# Altium PCB WirelessBoard_LCD20x4v2.PcbDoc (continued)
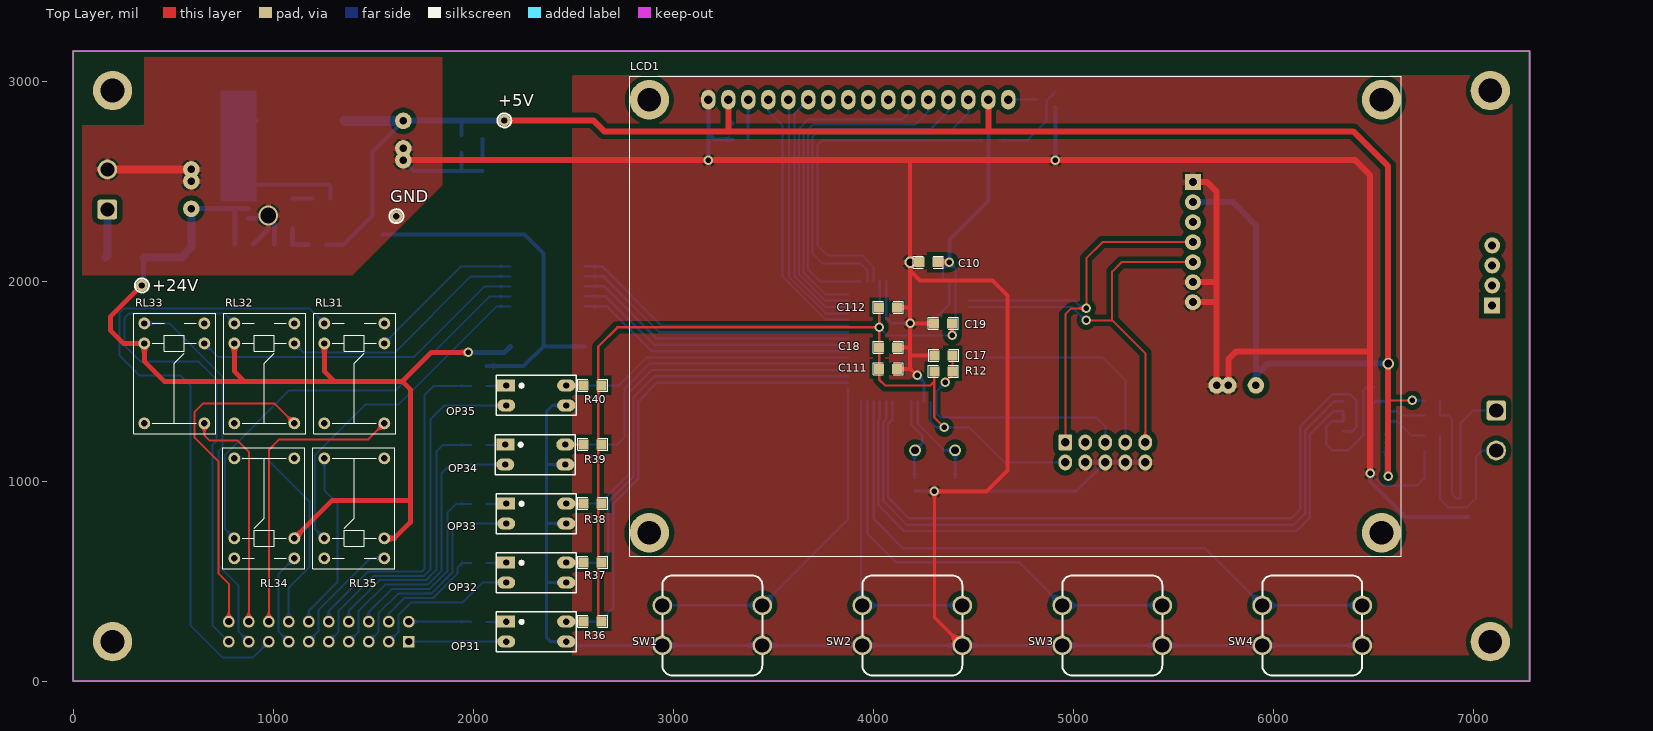
[diagram p0: Top Layer view]
## Part data
1 VIN: library part 2P_ScrewTerm_90S_3.81MM, "Terminal Block Screw Type THT 2-Position 3.81mm pitch", Color=Black, Manufacturer 1="Tyco Electronics", Manufacturer Part Number 1=1776113-2, Package / Case="Side Entry; 3.81mm pitch", Supplier Part Number 1=A97976-ND, Category="Connectors Interconnects", Pitch="0.150\" (3.81mm)", Positions Per Level=2, Supplier 1=Digi-Key, vl="Gi?c xanh 5.08mm"
C01 C03 C06: library part Cap, cm="T? nhôm c?m"
C02 C04 C05 C10 C15 C16 C17 C18 C19 C21 C31 C111 C112: library part "CAP NP", "Capacitor non polarized", cm1="T? di?n dán 0603", cm2="T? di?n dán 0805", cm3="T? di?n dán 1206"
D01: library part Diode, cm1="Ði ?t c?m", cm2="Ði ?t dán", vl2=FR307, vl3="TVS 1.5KE300A 19A 300V", vl4="HER508 5A 1000V", vl5="chân DO-214AB"
D02: library part "Diode Schottky"
D21: library part "Diode SM712", "The SM712 transient voltage suppressor (TVS) diode  is designed for asymmetrical (12V to -7V) protection  in multi-point data transmission standard RS-485  applications."
DryOut3: "Header, 10-Pin, Dual row", LatestRevisionDate=17-Jul-2002, LatestRevisionNote="Re-released for DXP Platform.", Publisher="Altium Limited"
ISP: library part CONN_HEADER_2x5P_0.100in_Male, "Header THD 10 POS Double-row 2.54mm pitch", Manufacturer 1=3M, Manufacturer Part Number 1=D2510-6002-AR, Package / Case="Connector header; 2.54mm pitch", Supplier Part Number 1=MHC10E-ND, ComponentLink1Description=http://multimedia.3m.com/mws/mediawebserver?66666UuZjcFSLXTtm8T_oxMcEVuQEcuZgVs6EVs6E666666--, ComponentLink1URL=http://multimedia.3m.com/mws/mediawebserver?66666UuZjcFSLXTtm8T_oxMcEVuQEcuZgVs6EVs6E666666--, Connector Type="Header, Shrouded", Contact Mating Length="0.243\" (6.17mm)", Contact Type="Male Pin", Number of Positions=10, Number of Rows=2, Pitch="0.100\" (2.54mm)", QtyOverride=1, Row Spacing="0.100\" (2.54mm)", Supplier 1=Digi-Key
L01: library part Inductor, cm1="Cu?n c?m dán", cm2="Cu?n c?m c?m"
LCD1: library part "LCD 16x2", "Text LCD", cm1="Màn hình LCD text", vl1=16x2, vl2=20x4
LED01: library part LED_SMD_Blue_0805_100mcd, "LED 0805 SMD Blue 100mcd 470nm", Manufacturer 1=Ligitek, Manufacturer Part Number 1=LG-170DBKZ-CT, Package / Case=0805, Ratings="100 mcd; 470 nm", Color=Blue, Material=InGaN/GaN
OP31 OP32 OP33 OP34 OP35: "Single Opto"
Q11: library part NPN, "Transistor C828 C1815...."
R01 R02 R03 R12 R13 R14 R15 R21 R22 R23 R24 R25 R31 R32 R33 R34 R35 R36 R37 R38 R39 R40: library part Res, "Resistor", cm1="Ði?n tr? dán 0603", cm2="Ði?n tr? c?m 1/4W", cm3="Ði?n tr? dán 0805", cm4="Ði?n tr? dán 1206"
RL31 RL32 RL33 RL34 RL35: library part HK4100F
SW1 SW2 SW3 SW4: library part SW-4P-Small, cm1="Nút b?m 4 chân c?m", vl1=12x12x6mm
U1: library part AS32-TTL-1W, "AS32-TTL-1W", Type1="Module thu phát không dây RF"
U11: "8-Bit AVR Microcontroller with 128K Bytes of In-System Programmable Flash Memory", Code_JEDEC=MS-026-AEB, ComponentLink1Description="Manufacturer Link", ComponentLink1URL=http://www.atmel.com, ComponentLink2Description=Datasheet, ComponentLink2URL=http://www.atmel.com/dyn/resources/prod_documents/doc2467.pdf, DatasheetVersion=2467G-AVR-09/02, LatestRevisionDate=13-Apr-2006, LatestRevisionNote="IPC-7351 Footprint Added.", PackageDescription="64-Pin Thin Quad Flat Pack 0.8 mm Pitch", PackageReference=64A, PackageVersion="revB, Oct-2001", Published=17-Sep-2003, Publisher="Altium Limited"
U21: library part 485, "RS485", cm1="8 chân c?m", cm2="8 chân dán", vl1=SN75176, vl2=MAX485
U31: "High-Voltage, High-Current Darlington Array", =TD62083AFG, LatestRevisionNote="Stylized 3D Model Added.", Publisher="Altium Limited"
XT: library part Crystal

## Free pads (board coordinates)
  round 196.85 hole 118.11: H(196.85,196.85) H(196.85,2952.76) H(2880.79,741.42) H(2880.79,2906.77) H(6542.2,741.42) H(6542.2,2906.77) H(7086.61,196.85) H(7086.61,2952.76)

## Via types
v1: diameter 47.24, hole 27.56, Top Layer to Bottom Layer, 13 vias
v2: diameter 47.24, hole 27.56, Top Layer to Bottom Layer, tented both sides, 3 vias
v3: diameter 59.06, hole 39.37, Top Layer to Bottom Layer, 1 vias
v4: diameter 59.06, hole 39.37, Top Layer to Bottom Layer, tented both sides, 1 vias
v5: diameter 98.43, hole 78.74, Top Layer to Bottom Layer, tented both sides, 1 vias

## Nets (pads, with @x,y where several pads share a name; then routed paths per layer and width w, separated by ;. In a path a pad name is that pad's centre, name@x,y a point inside that pad or via, vN(x,y) a via of type N, cw(c..) or ccw(c..) an arc to the next point about the centre after c; other vN are vias at no path point)
48V_M_1: DryOut3.1 OP31.2 | length 487.4
  Bottom Layer w10: DryOut3.1 OP31.2
48V_M_2: DryOut3.2 OP32.2 | length 758.7
  Bottom Layer w10: DryOut3.2 1626.06,244.96 1626.06,328.54 1690.87,393.35 1947.28,393.35 2046.06,492.13 OP32.2
48V_M_3: DryOut3.3 OP33.2 | length 1109.5
  Bottom Layer w10: DryOut3.3 1526.06,244.96 1526.06,338.35 1625.06,437.35 1790.63,437.35 1896.06,542.78 1896.06,752.4 1931.06,787.4 OP33.2
48V_M_4: DryOut3.4 OP34.2 | length 1495.8
  Bottom Layer w10: DryOut3.4 1426.06,244.96 1426.06,348.35 1560.06,482.35 1773.4,482.35 1841.06,550.01 1841.06,1037.68 1886.06,1082.68 OP34.2
48V_M_5: DryOut3.5 OP35.2 | length 1877
  Bottom Layer w10: DryOut3.5 1326.06,244.96 1326.06,348.35 1504.06,526.35 1755.18,526.35 1786.06,557.23 1786.06,1307.95 1856.06,1377.95 OP35.2
48V_P_1: DryOut3.11 R31.1 | length 310.9
  Bottom Layer w10: DryOut3.11 1986.61,296.85 R31.1@1988.19,295.27
48V_P_2: DryOut3.12 R32.1 | length 572.6
  Bottom Layer w10: DryOut3.12 1577.95,337.43 1655.86,415.35 1799.74,415.35 1921.06,536.67 1921.06,565.54 1946.06,590.54 R32.1@1988.19,590.54
48V_P_3: DryOut3.13 R33.1 | length 953.5
  Bottom Layer w10: DryOut3.13 1477.95,345.24 1592.06,459.35 1781.51,459.35 1871.06,548.9 1871.06,840.82 1916.06,885.82 R33.1@1988.19,885.82
48V_P_4: DryOut3.14 R34.1 | length 1353.4
  Bottom Layer w10: DryOut3.14 1377.95,350.24 1532.06,504.35 1764.29,504.35 1816.06,556.12 1816.06,1146.1 1851.06,1181.1 R34.1@1988.19,1181.1
48V_P_5: DryOut3.15 R35.1 | length 1739.7
  Bottom Layer w10: DryOut3.15 1277.95,350.24 1476.06,548.35 1746.06,548.35 1756.06,558.35 1756.06,1428.35 1804.09,1476.37 R35.1@1988.19,1476.37
+5V: +5V.1 C03.1 C05.2 C06.1 C10.2 C18.2 C19.2 C21.1@6575.06,1168.35 C111.2 C112.2 ISP.2 L01.2 LCD1.2 LCD1.15 R01.1@1264.88,2183.35 R02.2 R12.2 R15.2 R24.1@6752.13,1408.35 R36.2 R37.2 R38.2 R39.2 R40.2 U1.2 U11.21 U11.52 U11.62 U11.64 U21.8 | length 17652.7
  Top Layer w10: 6576.06,1408.35 6581.06,1403.35 v1(6696.06,1403.35)
  Top Layer w12: R36.2@2625.43,298.35 2625.43,1478.35 2625.43,1672.72 2721.06,1768.35 v1(4030.06,1768.35) ; C112.2@4030.06,1859.35 4021.06,1868.35 C112.2 C18.2 C111.2 4030.06,1508.35 4060.46,1477.95 4285.67,1477.95 4305.88,1498.17 ; R12.2 4305.88,1498.17 ; v1(4356.06,1268.35) 4305.88,1318.53 4305.88,1498.17
  Top Layer w20: C19.2 4395.57,1728.66 v2(4395.88,1728.35)
  Top Layer w30: +5V.1 2601.06,2803.35 2656.06,2748.35 3276.06,2748.35 ; LCD1.2 3276.06,2748.35 ; C10.2 4380.06,2094.35 v1(4381.06,2093.35) ; LCD1.15 4576.06,2748.35 ; v1(6576.06,1023.35) 6576.06,1408.35 v4(6576.06,1586.93) 6576.06,2573.35 6401.06,2748.35 4576.06,2748.35 ; 3276.06,2748.35 4576.06,2748.35
  Bottom Layer w10: v1(4030.06,1768.35) 4031.06,1768.35 4071.06,1728.35 v2(4395.88,1728.35) 4412.05,1744.51 U11.64 4412.05,2062.36 v1(4381.06,2093.35) 4349.06,2061.34 U11.62 ; U11.21 4286.06,1298.35 4316.06,1268.35 v1(4356.06,1268.35) 4481.06,1268.35 4656.06,1093.35 ISP.2 ; v1(6696.06,1403.35) R24.1@6756.69,1403.35
  Bottom Layer w12: v1(4030.06,1768.35) 4034.09,1772.38 U11.52
  Bottom Layer w20: R01.1@1264.88,2183.35 1351.06,2183.35 1496.06,2328.35 1496.06,2646.14 C03.1 1946.06,2801.14 ; C05.2 1941.06,2796.14 1946.06,2801.14 ; R02.2 2044.45,2801.14 1946.06,2801.14 ; LCD1.2 3276.06,2808.98 R15.2@3296.69,2788.35 ; v1(4381.06,2093.35) 4381.06,2208.9 4576.06,2403.9 LCD1.15 ; U21.8 6571.06,1172.91 6566.5,1168.35 6566.5,1032.91 v1(6576.06,1023.35)
  Bottom Layer w30: C03.1 1653.27,2803.35 +5V.1 ; U1.2 5800.06,2394.35 5914.49,2279.92 5914.49,1526.77 ; C06.1 5914.49,1526.77 ; v4(6576.06,1586.93) 6574.65,1588.35 5976.06,1588.35 5914.49,1526.77
  Bottom Layer w50: L01.2 1358.27,2801.14 C03.1
+24V: +24V.1 C01.1 C04.2 C31.2 D01.K RL31.3 RL32.3 RL33.3 RL34.3 RL35.3 U02.7 U31.10 | length 5561
  Top Layer w25: +24V.1 186.06,1820.85 186.06,1753.35 251.06,1688.35 RL33.3 356.06,1598.35 456.06,1498.35 856.06,1498.35 ; RL32.3 806.06,1548.35 856.06,1498.35 ; RL34.3 1296.06,903.35 1686.06,903.35 ; RL31.3 1256.06,1548.35 1306.06,1498.35 ; RL35.3 1606.06,713.35 1686.06,793.35 1686.06,903.35 ; v1@1971.06,1648.35 v1(1976.06,1643.35) 1791.06,1643.35 1646.06,1498.35 ; 856.06,1498.35 1306.06,1498.35 ; 1306.06,1498.35 1646.06,1498.35 ; 1646.06,1498.35 1686.06,1458.35 1686.06,903.35
  Bottom Layer w25: +24V.1 350.55,1985.33 D01.K ; C01.1 592.48,2363.35 796.06,2363.35 ; C04.2 810.06,2349.35 796.06,2363.35 ; U02.7 796.06,2363.35 ; v1(1976.06,1643.35) 2157.13,1643.35 U31.10
  Bottom Layer w40: D01.K 541.06,2118.35 590.63,2167.91 C01.1
ADJ: LCD1.3 R14.2 R15.1@3380,2801.14 | length 199.3
  Bottom Layer w15: R14.2@3375.43,2708.35 3375.43,2788.35 3375.43,2906.72 LCD1.3
BOOT: C02.1@1196.63,2413.35 U02.1@1095.63,2413.35 | length 101
  Bottom Layer w20: U02.1@1095.63,2413.35 C02.1@1196.63,2413.35
COM1: DryOut3.18 RL31.2 | length 1491.6
  Top Layer w10: DryOut3.18 977.95,1155.24 1031.06,1208.35 1476.06,1208.35 RL31.2
COM2: DryOut3.20 RL32.2 | length 1677.8
  Top Layer w10: DryOut3.20 777.95,486.46 726.06,538.35 726.06,1098.35 606.06,1218.35 606.06,1343.35 651.06,1388.35 1006.06,1388.35 RL32.2
COM3: DryOut3.19 RL33.2 | length 1165.4
  Top Layer w10: RL33.2 656.06,1228.35 681.06,1203.35 821.06,1203.35 877.95,1146.46 DryOut3.19
COM4: DryOut3.17 RL34.2 | length 1108.3
  Bottom Layer w10: RL34.2 966.06,1113.35 1181.06,898.35 1181.06,569.46 1077.95,466.35 DryOut3.17
COM5: DryOut3.16 RL35.2 | length 902.7
  Bottom Layer w10: DryOut3.16 1177.95,350.24 1321.06,493.35 1321.06,888.35 1256.06,953.35 RL35.2
CRL1: U11.43 U31.1 | length 1438.7
  Bottom Layer w12: U31.1 2646.18,2073.23 2943.5,1775.91 U11.43
CRL2: U11.42 U31.2 | length 1431.1
  Bottom Layer w12: U31.2 2651.64,2023.23 2930.46,1744.41 U11.42
CRL3: U11.41 U31.3 | length 1423.4
  Bottom Layer w12: U31.3 2657.1,1973.23 2917.41,1712.91 U11.41
CRL4: U11.40 U31.4 | length 1415.8
  Bottom Layer w12: U31.4 2662.55,1923.23 2904.37,1681.42 U11.40
CRL5: U11.39 U31.5 | length 1408.1
  Bottom Layer w12: U31.5 2668.01,1873.23 2891.32,1649.92 U11.39
CRL6: U31.6
CRL7: U31.7
D4: LCD1.11 U11.47 | length 1674
  Bottom Layer w10: U11.47 3761.41,1901.89 3630.06,2033.23 3630.06,2762.35 3676.06,2808.35 4146.06,2808.35 4176.06,2838.35 LCD1.11@4176.06,2906.77
D5: LCD1.12 U11.48 | length 1690.7
  Bottom Layer w10: U11.48 3761.02,1933.39 3652.06,2042.35 3652.06,2736.57 3697.84,2782.35 4210.06,2782.35 4276.06,2848.35 LCD1.12@4276.06,2906.77
D6: LCD1.13 U11.49 | length 1768.8
  Bottom Layer w10: U11.49 3736.06,1998.35 3674.06,2060.35 3674.06,2727.46 3706.95,2760.35 4288.06,2760.35 4376.06,2848.35 LCD1.13@4376.06,2906.77
D7: LCD1.14 U11.50 | length 1843.4
  Bottom Layer w10: U11.50 3971.1,2053.31 3936.06,2088.35 3746.06,2088.35 3696.06,2138.35 3696.06,2718.35 3716.06,2738.35 4376.06,2738.35 4476.06,2838.35 LCD1.14@4476.06,2906.77
DIO0: U11.6
DRYIN1: OP31.4 R36.1@2552.13,298.35 U11.34 | length 2516.6
  Top Layer w12: OP31.4 2545.2,296.85 R36.1@2546.69,298.35
  Bottom Layer w12: OP31.4 2629.57,296.85 2701.06,368.35 2701.06,888.35 2826.06,1013.35 2826.06,1398.35 2920.16,1492.44 U11.34
DRYIN2: OP32.4 R37.1@2552.13,593.35 U11.35 | length 2263.5
  Top Layer w12: OP32.4 2545.47,592.13 R37.1@2546.69,593.35
  Bottom Layer w12: OP32.4 2634.84,592.13 2676.06,633.35 2676.06,897.29 2802.06,1023.29 2802.06,1418.89 2907.11,1523.94 U11.35
DRYIN3: OP33.4 R38.1@2552.24,888.35 U11.36 | length 2006.5
  Top Layer w10: OP33.4 2545.75,887.4 R38.1@2546.69,888.35
  Bottom Layer w10: OP33.4 2633.65,887.4 2779.06,1032.81 2779.06,1440.43 2894.07,1555.43 U11.36
DRYIN4: OP34.4 R39.1@2552.13,1183.35 U11.37 | length 1811.1
  Top Layer w10: OP34.4 2546.02,1182.68 R39.1@2546.69,1183.35
  Bottom Layer w10: OP34.4 2721.39,1182.68 2757.06,1218.35 2757.06,1462.97 2881.02,1586.93 U11.37
DRYIN5: OP35.4 R40.1@2552.13,1478.35 U11.38 | length 1549
  Top Layer w10: OP35.4 2546.3,1477.95 R40.1@2546.69,1478.35
  Bottom Layer w10: OP35.4 2727.5,1477.95 2867.97,1618.43 U11.38
EN: LCD1.6 U11.46 | length 1241.1
  Bottom Layer w10: LCD1.6@3676.06,2906.77 3608.06,2838.77 3608.06,2024.12 3761.79,1870.39 U11.46
GND: C01.2 C03.2 C04.1@900.06,2184.84 C05.1@1941.06,2639.35 C06.2 C10.1@4232.06,2094.35 C15.2 C16.2 C17.1@4308.06,1628.35 C18.1@4120.06,1668.35 C19.1@4305.57,1788.35 C21.2 C31.1@2066.93,1566.24 C111.1@4120.06,1560.87 C112.1@4120.06,1868.35 D02.A D21.2 GND.1 ISP.4 ISP.6 ISP.8 ISP.10 LCD1.1 LED01.K OP31.3 OP32.3 OP33.3 OP34.3 OP35.3 Q11.3 R03.1@1007.13,2183.35 R14.1@3292.13,2708.35 R21.2 R25.1@6575,1466.81 SW1.2 SW2.2 SW3.2 SW4.2 U1.1 U1.6 U1.7 U02.6 U11.22 U11.53 U11.63 U21.5 U31.9 VIN.2 | length 25947.9
  Top Layer w15: v1(4306.06,948.35) 4306.06,318.35 SW2.2@4446.06,178.35
  Top Layer w20: C111.1@4120.06,1560.87 4182.94,1560.87 4185.74,1563.67 ; C18.1@4120.06,1668.35 4185.74,1668.35 ; C112.1@4120.06,1868.35 4185.74,1868.35 ; 4196.06,2604.29 4185.74,2593.97 v3(4185.74,2094.35) 4185.74,2052.67 ; v1(4221.06,1528.35) 4185.74,1563.67 ; C19.1@4305.57,1788.35 v1(4185.74,1788.35) ; v1(4306.06,948.35) 4566.06,948.35 4671.06,1053.35 4671.06,1928.35 4596.06,2003.35 4235.06,2003.35 4185.74,2052.67 ; C17.1@4308.06,1628.35 4185.74,1628.35 ; 4185.74,1563.67 4185.74,1628.35 ; 4185.74,1628.35 4185.74,1668.35 ; 4185.74,1668.35 v1(4185.74,1788.35) ; v1(4185.74,1788.35) 4185.74,1868.35 ; 4185.74,1868.35 4185.74,2052.67
  Top Layer w30: C03.2@1651.06,2604.29 v2(3176.06,2604.29) 4196.06,2604.29 6410.12,2604.29 6486.06,2528.35 6486.06,1648.35 ; U1.7 5711.64,1894.35 5717.64,1888.35 ; U1.6 5711.64,1994.35 5717.64,1988.35 ; U1.1 5670.06,2494.35 5717.64,2446.77 5717.64,1988.35 ; C06.2@5717.64,1478.35 5717.64,1888.35 ; C06.2@5776.69,1478.35 5776.69,1608.98 5816.06,1648.35 6486.06,1648.35 ; v1(6486.06,1038.35) 6486.06,1648.35 ; 5717.64,1888.35 5717.64,1988.35
  Top Layer w40: VIN.2 C01.2@590.63,2558.35
  Bottom Layer w10: v1(6486.06,1038.35) 6546.06,978.35 6721.06,978.35 6756.69,1013.98 R21.2@6756.69,1153.35
  Bottom Layer w12: U11.53 4065.59,1817.2 4094.44,1788.35 v1(4185.74,1788.35) 4286.06,1788.35 4380.55,1882.83 U11.63 ; v1(6486.06,1038.35) 6495.63,1047.91 6495.63,1382.91 6511.06,1398.35 U21.5 6571.06,1466.81 R25.1@6569.53,1468.35
  Bottom Layer w15: OP34.3 2366.73,1082.68 2366.06,1083.35 ; OP32.3 2367.28,492.13 2366.06,493.35 ; OP33.3 2370.12,787.4 2366.06,783.35 ; OP35.3 2395.67,1377.95 2366.06,1348.35 2366.06,1083.35 ; C16.2@4206.06,949.88 5017.6,949.88 ISP.6 ; v1(4221.06,1528.35) 4254.57,1494.84 U11.22 ; ISP.4 ISP.6 ; ISP.10 ISP.8 ISP.6 ; SW4.2@6446.06,178.35 5946.06,178.35 5446.06,178.35 4946.06,178.35 4446.06,178.35 3946.06,178.35 3446.06,178.35 2946.06,178.35 2483.86,178.35 OP31.3 2387.56,196.85 2366.06,218.35 2366.06,493.35 ; 2366.06,493.35 2366.06,783.35 ; 2366.06,783.35 2366.06,1083.35
  Bottom Layer w20: 1546.06,2233.35 2255.94,2233.35 2350.94,2138.35 2350.94,1673.23 ; C03.2@1651.06,2604.29 1704.51,2550.85 1946.06,2550.85 ; C05.1@1941.06,2639.35 1941.06,2555.85 1946.06,2550.85 ; LED01.K 1946.06,2550.85 ; C31.1@2066.93,1574.8 2252.52,1574.8 2350.94,1673.23 ; U31.9 2350.94,1673.23 ; v2(3176.06,2604.29) 3176.06,2738.35 ; LCD1.1 3176.06,2738.35 ; R14.1@3296.69,2708.35 3292.13,2708.35 3206.06,2708.35 3176.06,2738.35 ; v2(4911.06,2603.35) Q11.3 ; v1(6486.06,1038.35) 6486.06,998.35 6663.06,821.35 6974.06,821.35 D21.2
  Bottom Layer w25: U02.6 v5@976.06,2313.35 ; C04.1@900.06,2184.84 976.06,2260.84 v5@976.06,2313.35 ; v5(976.06,2328.35) v5@976.06,2313.35 ; R03.1@1007.13,2183.35 1007.13,2282.28 v5@976.06,2313.35
LCD_BL: R13.2 U11.51 | length 1734.5
  Bottom Layer w10: U11.51 4002.6,2071.81 3946.06,2128.35 3771.06,2128.35 3721.06,2178.35 3721.06,2678.35 3746.06,2703.35 R13.2@4546.06,2703.35
NetLCD1_16: LCD1.16 Q11.2 | length 145.4
  Bottom Layer w10: LCD1.16 4677.06,2908.35 Q11.2
NetLED01_A: LED01.A R02.1@2046.06,2709.53 | length 83.7
  Bottom Layer w20: LED01.A R02.1@2046.06,2709.53
NetOP31_1: OP31.1 R31.2 | length 99.1
  Bottom Layer w10: R31.2@2066.93,295.27 2163.77,295.27 OP31.1
NetOP32_1: OP32.1 R32.2 | length 99.1
  Bottom Layer w10: R32.2@2066.93,590.54 2163.77,590.54 OP32.1
NetOP33_1: OP33.1 R33.2 | length 99.1
  Bottom Layer w10: R33.2@2066.93,885.82 2163.77,885.82 OP33.1
NetOP34_1: OP34.1 R34.2 | length 94.4
  Bottom Layer w10: R34.2@2066.93,1181.1 2159.05,1181.1 OP34.1
NetOP35_1: OP35.1 R35.2 | length 99.1
  Bottom Layer w10: R35.2@2066.93,1476.37 2163.77,1476.37 OP35.1
NetQ11_1: Q11.1 R13.1@4620.51,2708.35 | length 436.6
  Bottom Layer w10: R13.1@4635.43,2703.35 4771.06,2703.35 4866.06,2798.35 4866.06,2901.35 Q11.1
NetR22_1: R22.1@6752.13,1228.35 U21.7 | length 214.6
  Bottom Layer w10: U21.7 6621.06,1298.35 6691.06,1228.35 R22.1@6756.69,1228.35
NetR23_1: R23.1@6752.13,1328.35 U21.6 | length 193.9
  Bottom Layer w10: U21.6 6621.06,1348.35 6641.06,1328.35 R23.1@6756.69,1328.35
NO1: DryOut3.8 RL31.5 | length 3384.2
  Bottom Layer w10: DryOut3.8 899.45,118.35 746.06,118.35 586.06,278.35 586.06,1478.35 536.06,1528.35 331.06,1528.35 231.06,1628.35 231.06,1838.35 256.06,1863.35 1181.06,1863.35 RL31.5
NO2: DryOut3.10 RL32.5 | length 2600.2
  Bottom Layer w10: DryOut3.10 696.06,278.74 696.06,1178.35 716.06,1198.35 716.06,1508.35 626.06,1598.35 336.06,1598.35 256.06,1678.35 256.06,1813.35 281.06,1838.35 756.06,1838.35 RL32.5
NO3: DryOut3.9 RL33.5 | length 1897.7
  Bottom Layer w10: RL33.5 481.06,1788.35 746.06,1523.35 746.06,1168.35 726.06,1148.35 726.06,578.35 826.06,478.35 826.06,248.35 877.56,196.85 DryOut3.9
NO4: DryOut3.7 RL34.5 | length 471.1
  Bottom Layer w10: DryOut3.7 1026.06,248.74 1026.06,533.35 RL34.5
NO5: DryOut3.6 RL35.5 | length 614.1
  Bottom Layer w10: DryOut3.6 1177.95,200.24 1226.06,248.35 1226.06,353.35 1486.06,613.35 RL35.5
ORL1: RL31.4 U31.18 | length 790.4
  Bottom Layer w10: RL31.4 1940.94,2073.23 U31.18
ORL2: RL32.4 U31.17 | length 1258.2
  Bottom Layer w10: RL32.4 1152.59,1641.82 1607.25,1641.82 1988.66,2023.23 U31.17
ORL3: RL33.4 U31.16 | length 1705.7
  Bottom Layer w10: RL33.4 724.59,1619.82 1703.91,1619.82 2057.32,1973.23 U31.16
ORL4: RL34.4 U31.15 | length 2193.5
  Bottom Layer w10: RL34.4 759.53,759.87 759.53,1132.62 1079.99,1453.07 1613.35,1453.07 2083.51,1923.23 U31.15
ORL5: RL35.4 U31.14 | length 1722.8
  Bottom Layer w10: RL35.4 1209.53,759.87 1209.53,1132.62 1459.44,1382.52 1626.52,1382.52 2117.23,1873.23 U31.14
ORL6: U31.13
ORL7: U31.12
PDI: ISP.1 U1.4 U11.2 | length 2179.4
  Top Layer w10: ISP.1 4961.06,1833.35 4991.06,1863.35 v1(5066.06,1863.35) 5066.06,2113.35 5147.06,2194.35 U1.4
  Bottom Layer w10: U11.2 5006.6,1901.89 5045.61,1862.89 5065.61,1862.89 v1(5066.06,1863.35)
PDO: ISP.9 U1.5 U11.3 | length 2091.8
  Top Layer w10: v1(5066.06,1804.1) 5195.31,1804.1 ; ISP.9 5361.06,1638.35 5195.31,1804.1 ; U1.5 5242.06,2094.35 5195.31,2047.59 5195.31,1804.1
  Bottom Layer w10: U11.3 4993.56,1870.39 5059.85,1804.1 v1(5066.06,1804.1)
PH: C02.2 D02.K L01.1 U02.8 | length 614.4
  Bottom Layer w20: 856.06,2483.35 1276.06,2483.35 1286.63,2472.78 C02.2
  Bottom Layer w40: D02.K L01.1
RS: LCD1.4 U11.44 | length 1330.1
  Bottom Layer w10: LCD1.4@3476.06,2906.77 3476.06,2848.35 3546.06,2778.35 3546.06,2023.9 3762.56,1807.4 U11.44
RS485_1A: 1.1 D21.1 R23.2 R24.2 | length 1150.1
  Bottom Layer w10: R24.2@6835.43,1403.35 6835.43,1328.35 6876.06,1328.35 6896.06,1308.35 6896.06,933.35 6916.06,913.35 D21.1 6938.06,1290.35 7000.52,1352.8 1.1
RS485_1B: 1.2 D21.3 R21.1@6840,1148.35 R22.2 | length 856.8
  Bottom Layer w10: R22.2@6835.43,1228.35 6835.43,1153.35 6835.43,908.98 6876.06,868.35 6969.06,868.35 D21.3 7014.06,1121.82 7045.05,1152.8 1.2
RS485_SS: R25.2 U11.29 U21.2 U21.3 | length 4135.5
  Bottom Layer w12: U11.29 4034.09,1313.12 4026.44,1305.47 4026.44,878.88 4154.97,750.35 6117.16,750.35 6184.06,817.26 6184.06,1232.26 6300.15,1348.35 U21.3 U21.2 6291.06,1298.35 6266.06,1273.35 6266.06,1183.35 6296.06,1153.35 6376.06,1153.35 6451.06,1228.35 6451.06,1453.35 6466.06,1468.35 R25.2@6502.6,1468.35
RS485D: U11.4
RST: C17.2 ISP.5 R12.1@4395.88,1548.35 U11.20 | length 1274.6
  Top Layer w10: v1(4361.06,1493.35) 4395.88,1528.17 4395.88,1548.35 4398.06,1550.53 C17.2
  Bottom Layer w10: v1(4361.06,1493.35) 4317.56,1449.84 U11.20 4317.56,1336.85 4336.06,1318.35 5116.06,1318.35 5161.06,1273.35 ISP.5
RW: LCD1.5 U11.45 | length 1257.4
  Bottom Layer w10: LCD1.5@3576.06,2906.77 3578.79,2904.04 3578.79,2022.28 3762.17,1838.9 U11.45
SCK: ISP.7 U11.11 | length 1141.7
  Bottom Layer w10: U11.11 5145.98,1618.43 5261.06,1503.35 ISP.7
SCL: U11.25
SDA: U11.26
SW1: SW1.1 U11.33 | length 1710.1
  Bottom Layer w12: 2996.06,378.35 3446.06,378.35 3874.65,806.93 U11.33
SW2: SW2.1 U11.32 | length 1520.3
  Bottom Layer w12: U11.32 3939.61,384.8 3946.06,378.35 SW2.1@4446.06,378.35
SW3: SW3.1 U11.31 | length 2281.7
  Bottom Layer w12: U11.31 3971.1,738.31 4116.06,593.35 4731.06,593.35 4946.06,378.35 SW3.1@5446.06,378.35
SW4: SW4.1 U11.30 | length 3207.3
  Bottom Layer w12: U11.30 4002.44,1395.83 4002.44,811.97 4151.06,663.35 5661.06,663.35 5946.06,378.35 SW4.1@6446.06,378.35
USART1_RX: U11.27 U21.1@6351.06,1248.35 | length 3597.5
  Bottom Layer w12: U11.27@4093.06,1391.96 U11.27 4097.09,1308.23 4074.44,1285.59 4074.44,919.97 4181.06,813.35 6091.06,813.35 6136.06,858.35 6136.06,1273.35 6296.06,1433.35 6386.06,1433.35 6416.06,1403.35 6416.06,1268.35 6396.06,1248.35 U21.1@6351.06,1248.35
USART1_TX: U11.28 U21.4 | length 3350.6
  Bottom Layer w12: U11.28 4065.59,1310.68 4050.44,1295.53 4050.44,899.43 4168.02,781.85 6104.11,781.85 6160.06,837.8 6160.06,1252.8 6305.6,1398.35 U21.4
VIN+: D01.A VIN.1 | length 243.9
  Bottom Layer w40: D01.A 171.06,2127.83 VIN.1
VSENSE: R01.2 R03.2 U02.4 | length 158.4
  Bottom Layer w25: U02.4 1095.63,2184.84 R03.2 R01.2
XTAL1: C16.1@4206.06,1027.35 U11.24 XT.1 | length 418.3
  Bottom Layer w12: U11.24 4191.57,1281.7 4246.06,1227.21 4246.06,1189.77 XT.1 4206.06,1149.77 C16.1@4206.06,1016.81
XTAL2: C15.1@4411.06,1027.35 U11.23 XT.2 | length 488.9
  Bottom Layer w12: U11.23 4223.07,1286.34 4355.64,1153.77 XT.2 4411.06,1152.77 C15.1@4411.06,1016.81
pads on no net: C01.0 C02.0 C02.1@1205.2,2413.34 C02.1@1205.2,2413.35 C02.1@1276.06,2413.35 C02.1@1276.07,2413.34 C03.0 C04.0 C04.1@820.63,2184.84 C04.1@820.63,2184.85 C04.1@891.5,2184.84 C04.1@891.49,2184.85 C05.0 C05.1@1941.06,2647.91 C05.1@1941.06,2718.78 C05.1@1941.07,2647.92 C05.1@1941.07,2718.78 C06.0 C10.0 C10.1@4240.63,2094.35 C10.1@4311.5,2094.35 C15.0 C15.1@4411.06,947.91 C15.1@4411.06,1018.78 C16.0 C16.1@4206.06,947.91 C16.1@4206.06,1018.78 C17.0 C17.1@4316.63,1628.35 C17.1@4387.5,1628.35 C18.0 C18.1@4040.63,1668.34 C18.1@4040.63,1668.35 C18.1@4111.5,1668.35 C18.1@4111.49,1668.34 C19.0 C19.1@4314.13,1788.35 C19.1@4314.14,1788.35 C19.1@4385,1788.35 C21.0 C21.1@6495.63,1168.35 C21.1@6566.5,1168.35 C21.1@6566.49,1168.35 C31.0 C31.1@2066.93,1574.8 C31.1@2066.93,1645.67 C31.1@2066.94,1574.81 C31.1@2066.94,1645.67 C111.0 C111.1@4040.63,1560.87 C111.1@4111.5,1560.87 C111.1@4111.49,1560.87 C112.0 C112.1@4040.63,1868.34 C112.1@4040.63,1868.35 C112.1@4111.5,1868.35 C112.1@4111.49,1868.34 D01.0 ISP.0 ISP.3 LCD1.7 LCD1.8 LCD1.9 LCD1.10 LCD1.H LED01.0 R01.0 R01.1@1181.7,2183.34 R01.1@1181.69,2183.35 R01.1@1260.43,2183.35 R01.1@1260.44,2183.34 R02.0 R02.1@2046.06,2713.97 R02.1@2046.06,2713.98 R02.1@2046.06,2792.71 R02.1@2046.06,2792.72 R03.0 R03.1@1011.57,2183.35 R03.1@1090.31,2183.35 R03.1@1090.32,2183.35 R12.0 R12.1@4312.7,1548.35 R12.1@4312.69,1548.35 R12.1@4391.43,1548.35 R12.1@4391.44,1548.35 R13.0 R13.1@4537.32,2708.35 R13.1@4537.33,2708.34 R13.1@4616.06,2708.35 R13.1@4616.07,2708.34 R14.0 R14.1@3296.57,2708.35 R14.1@3375.31,2708.35 R14.1@3375.32,2708.35 R15.0 R15.1@3296.81,2801.14 R15.1@3375.55,2801.14 R21.0 R21.1@6756.81,1148.34 R21.1@6756.81,1148.35 R21.1@6835.55,1148.34 R21.1@6835.55,1148.35 R22.0 R22.1@6756.57,1228.35 R22.1@6835.31,1228.35 R22.1@6835.32,1228.35 R23.0 R23.1@6756.57,1328.35 R23.1@6835.31,1328.35 R23.1@6835.32,1328.35 R24.0 R24.1@6756.57,1408.35 R24.1@6835.31,1408.35 R24.1@6835.32,1408.35 R25.0 R25.1@6491.81,1466.8 R25.1@6491.81,1466.81 R25.1@6570.55,1466.8 R25.1@6570.55,1466.81 R31.0 R32.0 R33.0 R34.0 R35.0 R36.0 R36.1@2556.57,298.34 R36.1@2556.57,298.35 R36.1@2635.31,298.34 R36.1@2635.32,298.35 R37.0 R37.1@2556.57,593.34 R37.1@2556.57,593.35 R37.1@2635.31,593.34 R37.1@2635.32,593.35 R38.0 R38.1@2556.69,888.34 R38.1@2556.69,888.35 R38.1@2635.43,888.34 R38.1@2635.43,888.35 R39.0 R39.1@2556.57,1183.34 R39.1@2556.57,1183.35 R39.1@2635.31,1183.34 R39.1@2635.32,1183.35 R40.0 R40.1@2556.57,1478.34 R40.1@2556.57,1478.35 R40.1@2635.31,1478.34 R40.1@2635.32,1478.35 RL31.1 RL31.6 RL32.1 RL32.6 RL33.1 RL33.6 RL34.1 RL34.6 RL35.1 RL35.6 U1.0 U1.3 U02.1@1095.63,2463.35 U02.2 U02.3 U02.5 U11.1 U11.5 U11.7 U11.8 U11.9 U11.10 U11.12 U11.13 U11.14 U11.15 U11.16 U11.17 U11.18 U11.19 U11.54 U11.55 U11.56 U11.57 U11.58 U11.59 U11.60 U11.61 U21.1@6351.06,1198.35 U31.8 U31.11

## Polygon pours and split planes (outlines as drawn)
GND on Bottom Layer "GND_L02_P007" (solid, pour order 7): 7196.06,128.35 7196.06,3028.35 2496.06,3028.35 2496.06,128.35
GND on Bottom Layer "GND_L02_P004" (solid, remove dead copper, pour order 4): 1846.06,3149.61 346.06,3149.61 346.06,2778.35 0,2778.35 0,2023.23 1396.06,2023.23 1846.06,2473.23
GND on Bottom Layer "GND_L02_P000" (solid, pour order 0): 96.06,2478.35 96.06,2729.35 396.06,2729.35 396.06,2928.35 646.06,2928.35 646.06,2478.35
GND on Top Layer "GND_L01_P005" (solid, pour order 5): 2496.06,3025.46 2498.95,3028.35 7196.06,3028.35 7196.06,128.35 2496.06,128.35
GND on Top Layer "GND_L01_P002" (solid, pour order 2): 356.06,3128.35 1846.06,3128.35 1846.06,2478.35 1396.06,2028.35 46.06,2028.35 46.06,2778.35 341.06,2778.35 346.06,2783.35 351.06,2778.35 356.06,2778.35

## Keep-outs
Keep-Out Layer:
  the board outline again, w10

## Other copper
Bottom Layer:
  rectangle net PH: 736.06,2398.35 916.06,2952.76

## Silkscreen, mask and mechanical layers (free items; w line width, h text height)
Bottom Overlay:
  text "atmega128" at 4316.06,1888.35 h45

## Text inside footprints (layer, text, board x,y; h text height)
DryOut3: Bottom Overlay "1" at 1757.95,156.85 h50; Bottom Overlay "1" at 1797.95,276.85 h50; Bottom Overlay "1" at 1757.95,276.85 h50; Bottom Overlay "10" at 717.95,176.85 h50; Bottom Overlay "20" at 717.95,276.85 h50
ISP: Bottom Overlay "2" at 4971.06,973.35 h30; Bottom Overlay "1" at 4957.49,1298.35 h30 r180; Bottom Overlay "10" at 5381.34,973.35 h30; Bottom Overlay "9" at 5340.07,1298.35 h30 r180